# Altium PCB Main_Board.PcbDoc
Units mm, origin at the board's own origin, x right, y up, seen from the top; angles counter-clockwise.
Board outline 66.92 x 57.15 mm, 2 copper layers (Top Layer, Bottom Layer); 98 components, 83 nets, 365 pads, 309 vias.
Unrouted connection lines stored in the file: 2.
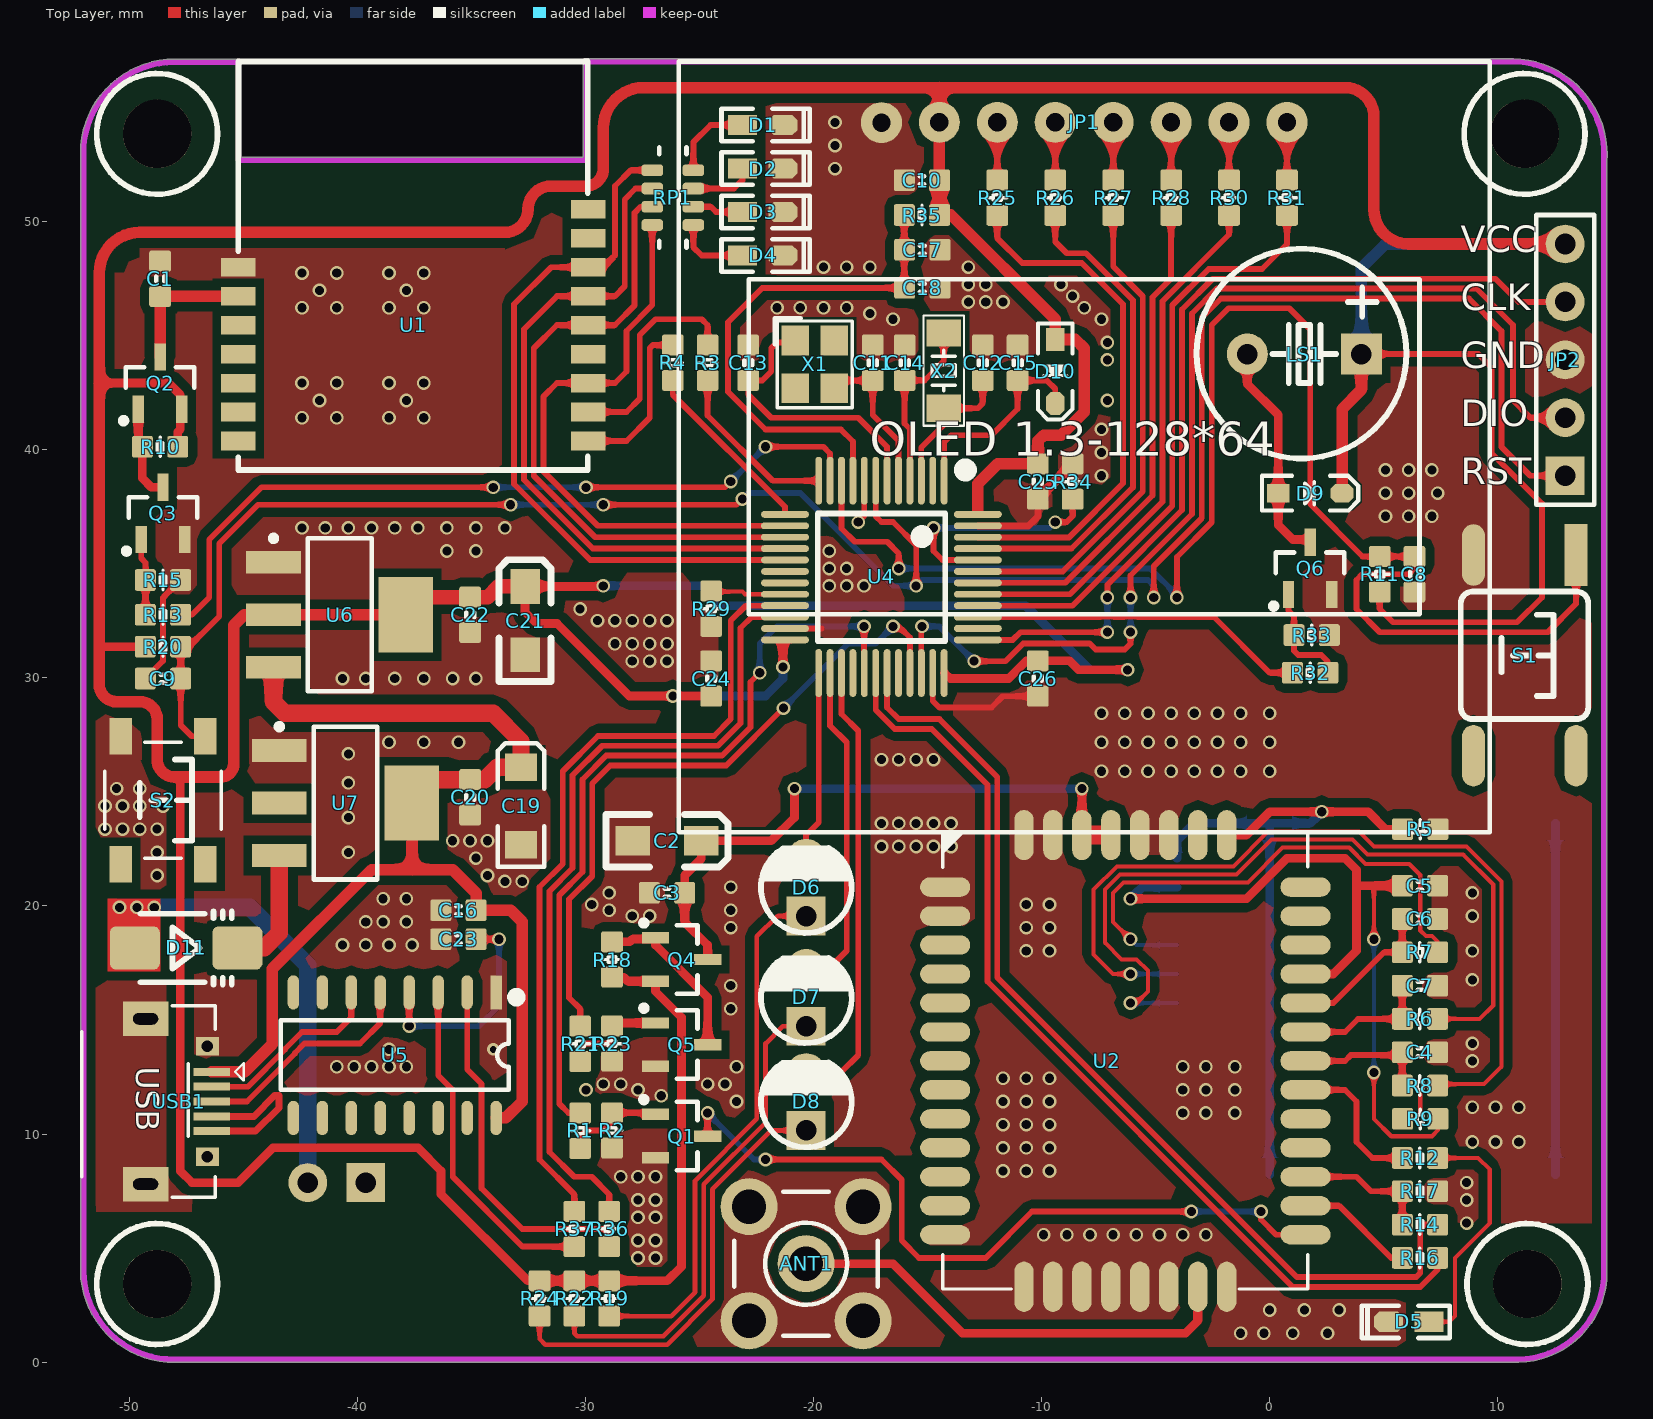
[diagram p0: Top Layer view]
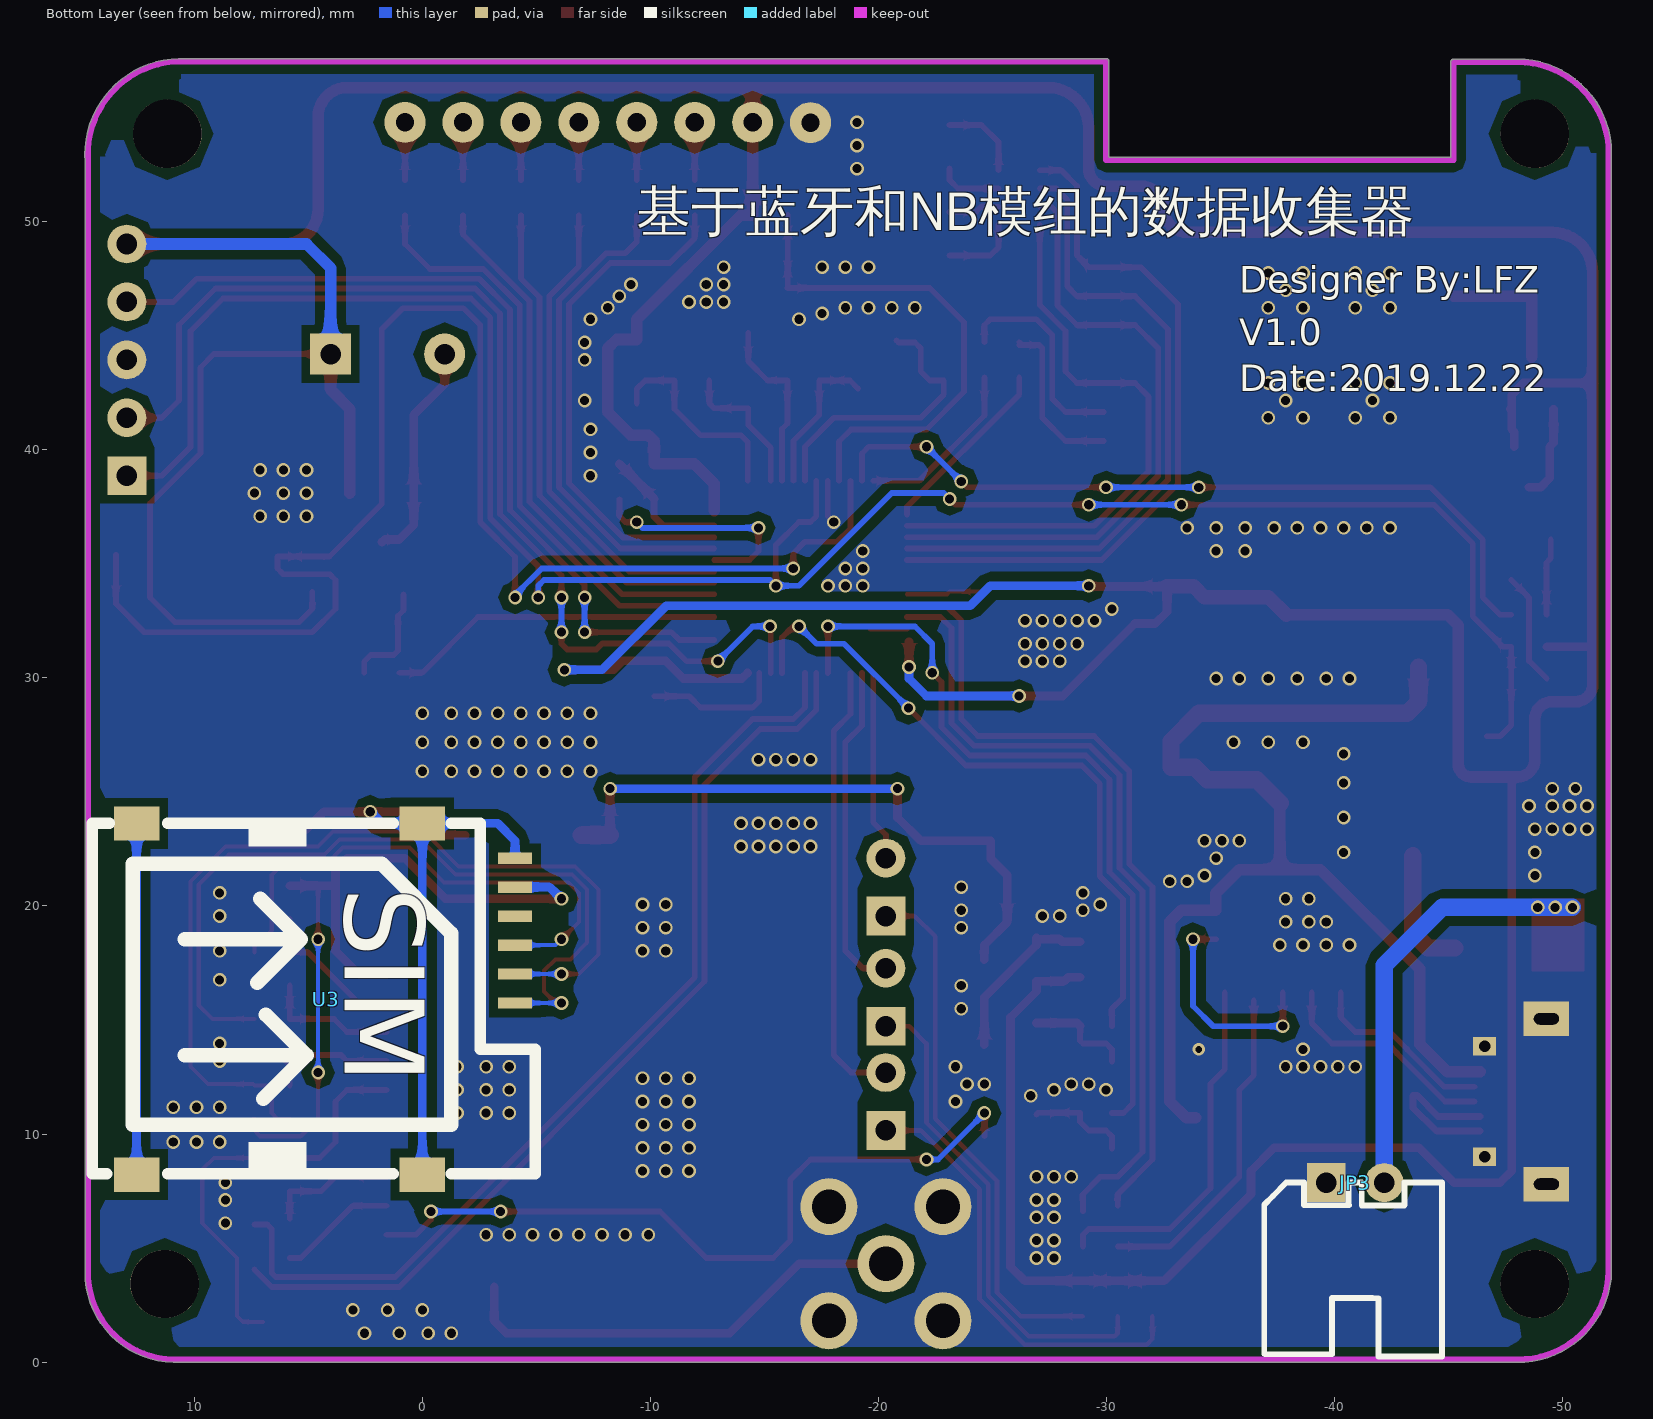
[diagram p1: Bottom Layer view, seen from below]

## Layer stack, top to bottom
Top Solder: solder mask 0.0102, Solder Resist, Dk 3.5
Top Layer: signal copper 0.0356
Dielectric 1: dielectric 0.32, FR-4, Dk 4.8
Bottom Layer: signal copper 0.0356
Bottom Solder: solder mask 0.0102, Solder Resist, Dk 3.5

## Board outline
-52.127,3.998 ccw(c-48.064,4.063) -47.999,0 ccw(c-48.064,4.063) -47.998,0 -48,0 10.922,0 ccw(c10.922,0.127) 10.924,0 ccw(c10.856,3.933) 14.79,3.933 ccw(c10.856,3.933) 14.789,4.001 ccw(c10.856,3.933) 14.789,4.002 14.789,4 14.789,52.793 ccw(c14.668,52.832) 14.795,52.829 ccw(c10.573,52.927) 14.796,52.927 ccw(c10.573,52.927) 10.671,57.15 ccw(c10.668,57.023) 10.668,57.15 10.671,57.15 ccw(c10.573,52.927) 10.573,57.151 ccw(c10.573,57.024) 10.556,57.15 -29.972,57.15 ccw(c-29.972,57.023) -30.099,57.023 -30.099,52.832 -45.085,52.832 -45.085,57 ccw(c-45.212,57) -45.212,57.127 -48,57.127 ccw(c-48,53) -52.127,53 -52.127,4 ccw(c-52,4)

## Design rules (kind name [scope] priority, off if disabled: settings)
Clearance Clearance_3 [InNamedPolygon('GND_L02_P000')] p1: gap=0.381 ignorepadtopadclearanceinfootprint=FALSE
Clearance Clearance_2 [InNamedPolygon('NONET_L02_P004')] p2: gap=0.381 ignorepadtopadclearanceinfootprint=FALSE
Clearance Clearance_1 [InNamedPolygon('GND_L01_P002')] p3: gap=0.381 ignorepadtopadclearanceinfootprint=FALSE
Clearance [All] p4: gap=0.254 ignorepadtopadclearanceinfootprint=FALSE except(0: Arc-Hole Track-Hole SMDPad-Hole THPad-Hole Via-Hole Fill-Hole Poly-Hole Region-Hole Text-Hole; 0.178: Arc-Arc Arc-Track Arc-SMDPad Track-Track Track-SMDPad SMDPad-SMDPad)
ComponentClearance [All] p1 off: gap=0.254 collisioncheckmode=3 verticalgap=0.254 showdistances=FALSE
Height [All] p1 off: minheight=0 maxheight=25.4 prefheight=12.7
PlaneConnect isvia [isvia] p1: planeconnectstyle=Direct reliefexpansion=0.508 reliefentries=4 reliefconductorwidth=0.254 reliefairgap=0.254
PlaneConnect [All] p2: planeconnectstyle=Relief reliefexpansion=0.508 reliefentries=4 reliefconductorwidth=0.508 reliefairgap=0.254
PolygonConnect PolygonConnect_4 [All vs IsNamedPolygon('GND_L02_P000')] p1: connectstyle=Direct reliefconductorwidth=0.254 reliefentries=4 polygonreliefangle="90 Angle" airgapwidth=0.254
PolygonConnect PolygonConnect_3 [All vs IsNamedPolygon('GND_L01_P002')] p2: connectstyle=Direct reliefconductorwidth=0.254 reliefentries=4 polygonreliefangle="90 Angle" airgapwidth=0.254
PolygonConnect PolygonConnect_2 [All vs IsNamedPolygon('NONET_L02_P004')] p3: connectstyle=Direct reliefconductorwidth=0.254 reliefentries=4 polygonreliefangle="90 Angle" airgapwidth=0.254
PolygonConnect PolygonConnect_1 [All vs IsNamedPolygon('GND_L01_P002')] p4: connectstyle=Direct reliefconductorwidth=0.254 reliefentries=4 polygonreliefangle="90 Angle" airgapwidth=0.254
PolygonConnect [All] p5: connectstyle=Relief reliefconductorwidth=0.254 reliefentries=4 polygonreliefangle="90 Angle" airgapwidth=0.254
RoomDefinition NB-Blue [InComponentClass('NB-Blue')] p1 off: confinementstyle=ConfineIn formatcopy=TRUE lockcomponents=FALSE outline -80.518,-28.194 499.237,-28.194 499.237,306.451 -80.518,306.451
RoutingVias [All] p1: holewidth=0.4 width=0.6 viastyle="Through Hole" minholewidth=0.3 minwidth=0.6 maxholewidth=3 maxwidth=3
SolderMaskExpansion [All] p1: expansion=0.102 istentingtop=FALSE
Width [All] p1: maxlimit=5 minlimit=0.178 preferedwidth=0.254
27 further rules are at their usual default settings.

## Components (designator, comment, footprint, x,y, rotation, side; value= is the part's Value field where it differs from the comment)
ANT1 "ANT" SMA_FR -20.32,4.318 r180 top
C1 "100nF" 0603CC -48.641,47.498 r180 top
C2 "470uF/35V" C3216 -26.416,22.86 r180 top
C3 "100nF" 0603CC -26.416,20.574 r90 top
C4 "33P" 0603CC 6.591,13.589 r90 top
C5 "100nF" 0603CC 6.591,20.892 r270 top
C6 "33P" 0603CC 6.591,19.431 r270 top
C7 "33P" 0603CC 6.591,16.51 r270 top
C8 "100nF" 0603CC 6.35,34.544 r0 top
C9 "10uF" 0603CC -48.514,29.972 r90 top
C10 "100nF" 0603CC -15.24,51.816 r270 top
C11 "22p" 0603CC -17.399,43.815 r0 top
C12 "22p" 0603CC -12.573,43.815 r180 top
C13 "22p" 0603CC -22.86,43.815 r0 top
C14 "22p" 0603CC -16.002,43.815 r180 top
C15 "100nF" 0603CC -11.049,43.815 r180 top
C16 "100nF" 0603CC -35.56,19.812 r270 top
C17 "10uF" 0603CC -15.227,48.768 r270 top
C18 "100nF" 0603CC -15.227,47.097 r270 top
C19 "470uF/35V" "CD A(3216)" -32.818,24.384 r270 top
C20 "100nF" 0603CC -35.052,24.765 r180 top
C21 "470uF/35V" C3216 -32.639,32.512 r270 top
C22 "100nF" 0603CC -35.052,32.766 r180 top
C23 "100nF" 0603CC -35.56,18.542 r270 top
C24 "1uF" 0603CC -24.482,29.972 r0 top
C25 "100nF" 0603CC -10.16,38.608 r180 top
C26 "10nF" 0603CC -10.16,29.972 r180 top
D1 "LED" "LED 0603G" -22.225,54.229 r0 top
D2 "LED" "LED 0603G" -22.225,52.324 r0 top
D3 "LED" "LED 0603G" -22.225,50.419 r0 top
D4 "LED" "LED 0603G" -22.225,48.514 r0 top
D5 "LED" "LED 0603G" 6.096,1.778 r180 top
D6 "LED" "LED 3MM-G" -20.32,20.828 r90 top
D7 "LED" "LED 3MM-G" -20.32,16.002 r90 top
D8 "LED" "LED 3MM-G" -20.32,11.43 r90 top
D9 "1N4148" SOD-323 1.778,38.1 r0 top
D10 "1N4148" SOD-323 -9.398,43.434 r270 top
D11 "SS34" SMA -47.498,18.161 r0 top
JP1 "HDR-1X8" OLED_1.3_8P -8.128,40.132 r0 top
JP2 "HDR-1X5" HDR2.54-LI-5P 12.954,43.942 r90 top
JP3 "HDR-1X2" XH2.54-WI-2P -40.894,7.874 r180 bottom
LS1 "DC5V" "BEEP 5x9x5.5" 1.524,44.196 r90 top
Q1 "SS8050" SOT23-3N -25.781,9.912 r270 top
Q2 "AO3401" SOT23-3N -48.641,42.926 r0 top
Q3 "SS8050" SOT23-3N -48.514,37.211 r0 top
Q4 "AO3401" SOT23-3N -25.781,17.653 r270 top
Q5 "SS8050" SOT23-3N -25.781,13.92 r270 top
Q6 "SS8050" SOT23-3N 1.778,34.798 r0 top
R1 "1K" 0603RR -30.226,10.147 r0 top
R2 "10K" 0603RR -28.829,10.16 r0 top
R3 "10R" 0603RR -24.638,43.815 r0 top
R4 "10R" 0603RR -26.162,43.815 r0 top
R5 "0R" 0603RR 6.604,23.368 r90 top
R6 "10R" 0603RR 6.591,15.05 r90 top
R7 "10R" 0603RR 6.591,17.97 r90 top
R8 "10R" 0603RR 6.591,12.128 r90 top
R9 "10K" 0603RR 6.604,10.668 r270 top
R10 "10K" 0603RR -48.641,40.132 r90 top
R11 "10K" 0603RR 4.826,34.544 r0 top
R12 "470R" 0603RR 6.591,8.954 r90 top
R13 "1K" 0603RR -48.514,32.766 r270 top
R14 "1K" 0603RR 6.591,6.032 r90 top
R15 "10K" 0603RR -48.514,34.29 r90 top
R16 "10R" 0603RR 6.591,4.572 r90 top
R17 "10K" 0603RR 6.591,7.493 r90 top
R18 "10K" 0603RR -28.829,17.653 r0 top
R19 "470R" 0603RR -28.956,2.794 r0 top
R20 "10K" 0603RR -48.514,31.369 r270 top
R21 "1K" 0603RR -30.226,13.957 r0 top
R22 "470R" 0603RR -30.48,2.794 r0 top
R23 "10K" 0603RR -28.829,13.97 r0 top
R24 "470R" 0603RR -32.004,2.794 r0 top
R25 "200R" 0603RR -11.938,51.054 r180 top
R26 "200R" 0603RR -9.398,51.054 r180 top
R27 "200R" 0603RR -6.858,51.054 r180 top
R28 "200R" 0603RR -4.318,51.054 r180 top
R29 "10K" 0603RR -24.482,33.033 r0 top
R30 "200R" 0603RR -1.778,51.054 r180 top
R31 "200R" 0603RR 0.762,51.054 r180 top
R32 "1K" 0603RR 1.778,30.226 r90 top
R33 "10K" 0603RR 1.844,31.877 r90 top
R34 "10K" 0603RR -8.636,38.608 r0 top
R35 "10R" 0603RR -15.24,50.292 r270 top
R36 "220" 0603RR -28.956,5.842 r0 top
R37 "220" 0603RR -30.48,5.842 r0 top
RP1 "470" 4X0603 -26.162,51.054 r270 top
S1 "SW-PB" "TSW SMD-6*6*6" 11.176,30.988 r270 top
S2 "SW-PB" "TSW SMD-4*4*1.5" -48.514,24.638 r270 top
U1 "XG-BM02X" XG-BM02X -45.212,39.116 r0 top
U2 "NBXX-01" X_LSD4NBN-LB05000001 -14.224,20.828 r0 top
U3 "USIM_6P" "SIM 6P 自弹" 0,23.622 r270 bottom
U4 "STM32F103C8" "LQFP48 7X7_M" -17.018,34.417 r180 top
U5 "CH340C" SOP16_L -38.354,13.462 r270 top
U6 "AMS1117-3.3" SOT223_N -40.767,32.766 r0 top
U7 "AMS1117-5.0V" SOT223_N -40.513,24.511 r0 top
USB1 "USB-5P" USB-MICRO_A -49.276,11.43 r270 top
X1 "8M" "OSC 3225-4P" -19.941,43.741 r270 top
X2 "32.768K" "OSC 3215-2P" -14.283,43.471 r270 top

## Footprints (in the part's own frame and the unit in brackets; to place one, negate y for a bottom-side part, rotate by r counter-clockwise, add the part's x,y. Pads: shape width x height; smd on the part's side, far side on the other; paste and mask are expansions set on the pad)
4X0603 [mm]
  rrect50% 0.508x0.94 smd mask+0.051: 1(-1.2,-0.9) 2(-0.4,-0.9) 3(0.4,-0.9) 4(1.2,-0.9) 5(1.2,0.9) 6(0.4,0.9) 7(-0.4,0.9) 8(-1.2,0.9)
  silkscreen extent -2.2,-0.6 2.2,0.6
0603CC [mm]
  rrect20% 0.95x0.92 smd: 1(0,0.775) 2(0,-0.775)
  silkscreen extent -0.18,-0.1 0.18,0.1, body extent -0.39,-0.8 0.39,0.8, height 0.79
0603RR [mm]
  rrect20% 0.95x0.92 smd: 1(0,0.775) 2(0,-0.775)
  silkscreen extent -0.43,-0.13 0.43,0.13, body extent -0.39,-0.8 0.39,0.8, height 0.3
"BEEP 5x9x5.5" [mm] "5*9*5.5mm(脚距,直径,高度)"
  rect 1.8x1.8 hole 0.9: 1(0,-2.5)
  round 1.8 hole 0.9: 2(0,2.5)
  silkscreen extent -4.57,-4.47 4.62,4.73, body extent -4.5,-4.5 4.5,4.5, height 5.45
C3216 [mil] "A型/1206 3.2mmx1.6mm（蒜米工坊）"
  rect 60x51.18 smd: 1(-59,0) 2(59,0)
  silkscreen extent -105,-45 105,45, body extent -63,-31 63,32, height 63
"CD A(3216)" [mm] "长3.2mm，宽1.6mm，厚1.6mm"
  rect 1.2x1.4 smd: 1(-1.7,0) 2(1.7,0)
  silkscreen extent -2.74,-1.02 2.67,1.02, body extent -1.6,-0.8 1.6,0.8, height 1.6
HDR2.54-LI-5P [mm] "排针，5脚"
  rect 1.7x1.7 hole 0.9: 1(-5.08,0)
  round 1.7 hole 0.9: 2(-2.54,0) 3(0,0) 4(2.54,0) 5(5.08,0)
  silkscreen extent -6.35,-1.27 6.35,1.27, body extent -6.35,-1.27 6.35,1.27, height 8.5
"LED 3MM-G" [mm] "绿色3mm直插LED"
  rect 1.7x1.7 hole 0.9: 1(-1.27,0)
  round 1.7 hole 0.9: 2(1.27,0)
  silkscreen extent -2.01,-2 1.72,1.98, body extent -1.95,-1.95 1.64,1.95, height 5.55
"LED 0603G" [mil] "绿色0603LED"
  rect 50x35 smd: 1(-35,0.26)
  oct 50x35 smd: 2(35,0.26)
  silkscreen extent -71,-28 81,28, body extent -31,-16 32,16, height 18
"LQFP48 7X7_M" [mm] "48脚，体宽7x7mm，脚距0.5mm"
  oval 0.3x2.1 smd: 1(-2.75,-4.227) 2(-2.25,-4.227) 3(-1.75,-4.227) 4(-1.25,-4.227) 5(-0.75,-4.227) 6(-0.25,-4.227) 7(0.25,-4.227) 8(0.75,-4.227) 9(1.25,-4.227) 10(1.75,-4.227) 11(2.25,-4.227) 12(2.75,-4.227) 25(2.75,4.202) 26(2.25,4.202) 27(1.75,4.202) 28(1.25,4.202) 29(0.75,4.202) 30(0.25,4.202) 31(-0.25,4.202) 32(-0.75,4.202) 33(-1.25,4.202) 34(-1.75,4.202) 35(-2.25,4.202) 36(-2.75,4.202)
  oval 2.1x0.3 smd: 13(4.227,-2.75) 14(4.227,-2.25) 15(4.227,-1.75) 16(4.227,-1.25) 17(4.227,-0.75) 18(4.227,-0.25) 19(4.227,0.25) 20(4.227,0.75) 21(4.227,1.25) 22(4.227,1.75) 23(4.227,2.25) 24(4.227,2.75) 37(-4.227,2.75) 38(-4.227,2.25) 39(-4.227,1.75) 40(-4.227,1.25) 41(-4.227,0.75) 42(-4.227,0.25) 43(-4.227,-0.25) 44(-4.227,-0.75) 45(-4.227,-1.25) 46(-4.227,-1.75) 47(-4.227,-2.25) 48(-4.227,-2.75)
  silkscreen extent -3.93,-4.95 2.79,2.79, body extent -4.5,-4.5 4.5,4.5, height 1.45
OLED_1.3_8P [mm]
  round 1.8 hole 0.8: 1(-8.89,14.21) 2(-6.35,14.224) 3(-3.81,14.224) 4(-1.27,14.224) 5(1.27,14.224) 6(3.81,14.224) 7(6.35,14.224) 8(8.89,14.224)
  silkscreen extent -17.78,-16.89 17.78,16.89, body extent -17.7,-16.75 17.7,16.75, height 10.5
"OSC 3215-2P" [mm] "3.2*1.5*0.6mm(长宽高)"
  rect 1.2x1.5 smd: 1(-1.65,0) 2(1.65,0)
  silkscreen extent -2.41,-0.89 2.41,0.89, body extent -1.6,-0.75 1.6,0.75, height 0.61
"OSC 3225-4P" [mm] "3.2*2.5*0.7mm(长宽高)"
  rect 1.3x1.2 smd: 1(-1.05,-0.85) 2(1.05,-0.85) 3(1.05,0.85) 4(-1.05,0.85)
  silkscreen extent -2.03,-1.75 1.91,1.65, body extent -1.6,-1.25 1.6,1.25, height 0.7
"SIM 6P 自弹" [mm]
  rect 0.5x1.5 smd: 1(2.794,4.064) 2(5.334,4.064) 3(7.874,4.064) 4(1.524,4.064) 5(4.064,4.064) 6(6.604,4.064)
  rect 1.5x2 smd: 4(0,-12.53) 4(0,0) 4(15.4,-12.53) 4(15.4,0)
  silkscreen extent 0,-14.48 15.37,4.95, body extent -0.51,-14.48 15.75,4.95, height 1.25
SMA [mm]
  rrect30% 2.2x1.9 smd: 1(-2.248,0) 2(2.248,0)
  silkscreen extent -2,-1.6 2,1.6, body extent -2.64,-1.4 2.64,1.4, height 2.3
SMA_FR [mm] "SMA 90度射频天线座"
  round 2.5 hole 1.5: 1(0,0) 2(-2.5,2.5) 2(2.5,2.5) 3(-2.5,-2.5) 3(2.5,-2.5)
  silkscreen extent -3.15,-3.15 3.15,3.15, body extent -3.5,-3.5 3.5,11.6, height 10.26
SOD-323 [mm] "1.8x1.3X0.9mm（长宽高，不包括引脚）"
  rect 1x0.8 smd: 1(-1.4,0)
  oct 1x0.8 smd: 2(1.4,0)
  silkscreen extent -2.11,-0.76 2.11,0.76, body extent -1.34,-0.63 1.31,0.67, height 1
SOP16_L [mm] "10.3*6.2*1.8mm（长宽高）"
  rect 1.5x0.5 smd: 1(-2.752,4.445)
  oval 1.5x0.5 smd: 2(-2.752,3.175) 3(-2.752,1.905) 4(-2.752,0.635) 5(-2.752,-0.635) 6(-2.752,-1.905) 7(-2.752,-3.175) 8(-2.752,-4.445) 9(2.752,-4.445) 10(2.752,-3.175) 11(2.752,-1.905) 12(2.752,-0.635) 13(2.752,0.635) 14(2.752,1.905) 15(2.752,3.175) 16(2.752,4.445)
  silkscreen extent -2.69,-5 1.52,5.49, body extent -3,-5 3,5, height 1.9
SOT23-3N [mm] "3x1.3x1mm(长宽高)"
  rect 0.5x1.2 smd: 1(-0.95,-1.143) 2(0.95,-1.143) 3(0,1.143)
  silkscreen extent -1.72,-1.78 1.5,0.7, body extent -1.5,-1.2 1.5,1.2, height 1.05
SOT223_N [mm] "SOT223, 4-Leads, Body 6.5x3.5mm, Pitch 2.3mm, Lead Span 7mm, IPC Medium Density"
  rect 2.4x1 smd: 1(-2.9,2.3) 2(-2.9,0) 3(-2.9,-2.3)
  rect 2.4x3.3 smd: 4(2.9,0)
  silkscreen extent -3.02,-3.35 1.4,3.47, body extent -1.85,-3.35 1.85,3.35, height 1.7
"TSW SMD-4*4*1.5" [mm] "轻触开关，长宽高：4*4*1.5mm"
  rect 1.6x1 smd: 1(-2.8,1.85) 2(-2.8,-1.85) 3(2.8,-1.85) 4(2.8,1.85)
  silkscreen extent -2.55,-2.55 2.55,2.55, body extent -3.2,-2.6 3.2,2.6, height 1.5
"TSW SMD-6*6*6" [mm] "6*6*6mm"
  rect 2.7x1 smd: 1(-4.4,2.261)
  oval 2.7x1 smd: 2(-4.4,-2.239) 3(4.4,-2.239) 4(4.4,2.261)
  silkscreen extent -2.79,-2.79 2.79,2.79, body extent -4.5,-3 4.5,3, height 5.95
USB-MICRO_A [mm] "micro型USB ，5.7*7.8*2.5mm"
  rect 0.35x1.6 smd: 1(-1.3,2.9) 2(-0.65,2.9) 3(0,2.9) 4(0.65,2.9) 5(1.3,2.9)
  rect 1.5x2 hole 0.5 slot 1.1 at 90 deg: 5(-3.625,0) 5(3.625,0)
  rect 0.8x1 hole 0.5: 5(-2.425,2.71) 5(2.425,2.71)
  silkscreen extent -4.19,-2.79 4.19,4.3, body extent -4,-2.71 4,2.89, height 2.8
X_LSD4NBN-LB05000001 [mm]
  round 0.6 on Top Overlay mask+0.051: 1(-1.62,0.02)
  oval 2.2x0.85 smd: 1(0,0) 2(0,-1.27) 3(0,-2.54) 4(0,-3.81) 5(0,-5.08) 6(0,-6.35) 7(0,-7.62) 8(0,-8.89) 9(0,-10.16) 10(0,-11.43) 11(0,-12.7) 12(0,-13.97) 13(0,-15.24) 22(15.8,-15.24) 23(15.8,-13.97) 24(15.8,-12.7) 25(15.8,-11.43) 26(15.8,-10.16) 27(15.8,-8.89) 28(15.8,-7.62) 29(15.8,-6.35) 30(15.8,-5.08) 31(15.8,-3.81) 32(15.8,-2.54) 33(15.8,-1.27) 34(15.8,0)
  round 0.6 on Mech1 mask+0.051: 2(1.82,0.02)
  oval 0.85x2.2 smd: 14(3.455,-17.52) 15(4.725,-17.52) 16(5.995,-17.52) 17(7.265,-17.52) 18(8.535,-17.52) 19(9.805,-17.52) 20(11.075,-17.52) 21(12.345,-17.52) 35(12.345,2.28) 36(11.075,2.28) 37(9.805,2.28) 38(8.535,2.28) 39(7.265,2.28) 40(5.995,2.28) 41(4.725,2.28) 42(3.455,2.28)
  silkscreen extent -0.1,-17.62 15.9,2.38, body extent -0.1,-17.62 15.9,2.38, height 2.2
XG-BM02X [mil]
  rect 59.06x32 smd: 1(0,350) 2(0,300) 3(0,250) 4(0,200) 5(0,150) 6(0,100) 7(0,50) 8(604,50) 9(604,100) 10(604,150) 11(604,200) 12(604,250) 13(604,300) 14(604,350) 15(604,400) 16(604,450)
  silkscreen extent 0,0 603,705
XH2.54-WI-2P [mm] "接插件，2P"
  rect 1.7x1.7 hole 0.9: 1(-1.27,0)
  round 1.7 hole 0.9: 2(1.27,0)
  silkscreen extent -3.99,-7.62 3.81,0, body extent -3.77,-7.35 3.77,0.35, height 5.73
